# Altium PCB relay_matrix.PcbDoc (part 9 of 9)
Units mm, origin at the board's own origin, x right, y up, seen from the top; angles counter-clockwise.
Board outline 330 x 220 mm, 2 copper layers (Top Layer, Bottom Layer); 498 components, 345 nets, 2134 pads, 717 vias.
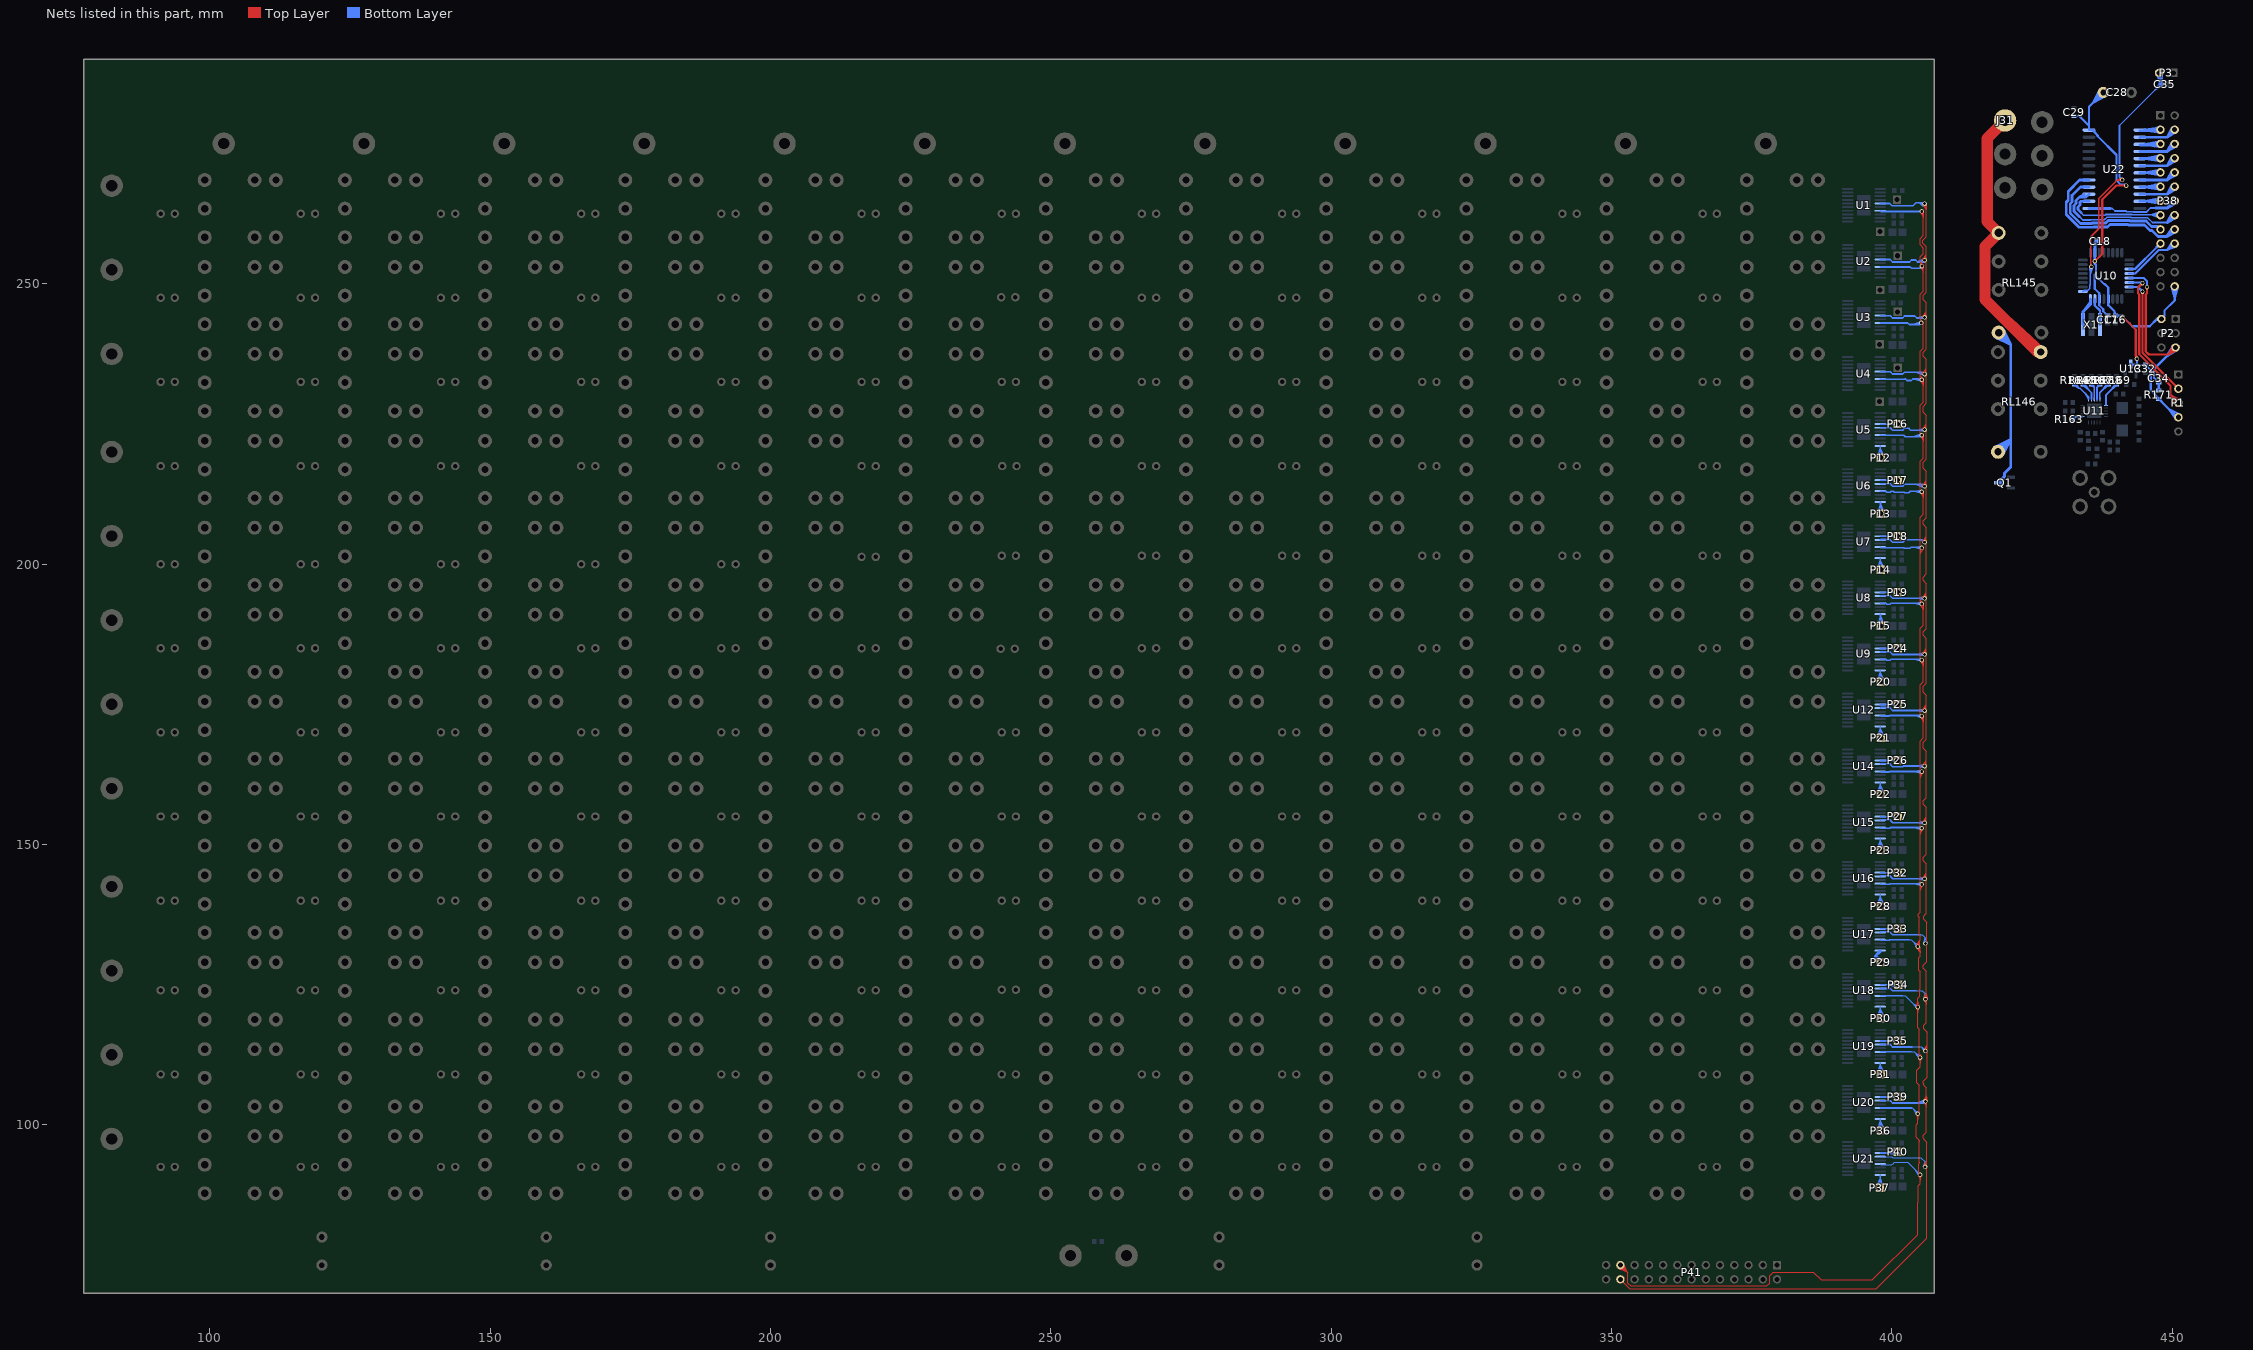
[diagram p9: the nets of this part, all layers, seen from the top]

## Via types
v1: diameter 0.8, hole 0.5, Top Layer to Bottom Layer, 477 vias
v2: diameter 0.8, hole 0.5, Top Layer to Bottom Layer, tented both sides, 122 vias
v3: diameter 0.6, hole 0.3, Top Layer to Bottom Layer, 112 vias
v4: diameter 7, hole 5, Top Layer to Bottom Layer, 6 vias

## Nets (pads, with @x,y where several pads share a name; then routed paths per layer and width w, separated by ;. In a path a pad name is that pad's centre, name@x,y a point inside that pad or via, vN(x,y) a via of type N, cw(c..) or ccw(c..) an arc to the next point about the centre after c; other vN are vias at no path point) (continued)
NetP12_1: P12.1 U5.20 | length 10.4
  Bottom Layer w0.3: P12.1@397.404,219.073 397.9,220.653 ; P12.1@397.7,219.009 397.9,220.653 ; U5.20@397.9,221.075 397.9,219.1 P12.1@398,219 397.9,220.653 ; P12.1@398.297,219.045 397.9,220.653 ; P12.1@398.582,219.144 397.9,220.653
NetP13_1: P13.1 U6.20 | length 9.8
  Bottom Layer w0.3: P13.1@397.41,209.109 398,210.65 ; P13.1@397.701,209.027 398,210.65 ; P13.1@398,209 398,210.975 U6.20@397.9,211.075 398,209.957 ; P13.1@398.299,209.027 398,210.65 ; P13.1@398.59,209.109 398,210.65
NetP14_1: P14.1 U7.20 | length 10.4
  Bottom Layer w0.3: P14.1@397.404,199.073 397.9,200.653 ; P14.1@397.7,199.009 397.9,200.653 ; U7.20@397.9,201.075 397.9,199.1 P14.1@398,199 397.9,200.653 ; P14.1@398.297,199.045 397.9,200.653 ; P14.1@398.582,199.144 397.9,200.653
NetP15_1: P15.1 U8.20 | length 9.8
  Bottom Layer w0.3: P15.1@397.41,189.109 398,190.65 ; P15.1@397.701,189.027 398,190.65 ; P15.1@398,189 398,190.975 U8.20@397.9,191.075 398,189.957 ; P15.1@398.299,189.027 398,190.65 ; P15.1@398.59,189.109 398,190.65
NetP16_1: P16.1 U5.14 | length 4.2
  Bottom Layer w0.3: U5.14@397.9,224.975 400.975,224.975 P16.1@401,225 ; U5.14@398.725,224.975 399.8,224.975
NetP17_1: P17.1 U6.14 | length 4.2
  Bottom Layer w0.3: U6.14@397.9,214.975 400.975,214.975 P17.1@401,215 ; U6.14@398.725,214.975 399.8,214.975
NetP18_1: P18.1 U7.14 | length 4.2
  Bottom Layer w0.3: U7.14@397.9,204.975 400.975,204.975 P18.1@401,205 ; U7.14@398.725,204.975 399.8,204.975
NetP19_1: P19.1 U8.14 | length 4.2
  Bottom Layer w0.3: U8.14@397.9,194.975 400.975,194.975 P19.1@401,195 ; U8.14@398.725,194.975 399.8,194.975
NetP20_1: P20.1 U9.20 | length 10.4
  Bottom Layer w0.3: P20.1@397.404,179.073 397.9,180.653 ; P20.1@397.7,179.009 397.9,180.653 ; U9.20@397.9,181.075 397.9,179.1 P20.1@398,179 397.9,180.653 ; P20.1@398.297,179.045 397.9,180.653 ; P20.1@398.582,179.144 397.9,180.653
NetP21_1: P21.1 U12.20 | length 10.4
  Bottom Layer w0.3: P21.1@397.404,169.073 397.9,170.653 ; P21.1@397.7,169.009 397.9,170.653 ; U12.20@397.9,171.075 397.9,169.1 P21.1@398,169 397.9,170.653 ; P21.1@398.297,169.045 397.9,170.653 ; P21.1@398.582,169.144 397.9,170.653
NetP22_1: P22.1 U14.20 | length 10.4
  Bottom Layer w0.3: P22.1@397.404,159.073 397.9,160.653 ; P22.1@397.7,159.009 397.9,160.653 ; U14.20@397.9,161.075 397.9,159.1 P22.1@398,159 397.9,160.653 ; P22.1@398.297,159.045 397.9,160.653 ; P22.1@398.582,159.144 397.9,160.653
NetP23_1: P23.1 U15.20 | length 10.4
  Bottom Layer w0.3: P23.1@397.404,149.073 397.9,150.653 ; P23.1@397.7,149.009 397.9,150.653 ; U15.20@397.9,151.075 397.9,149.1 P23.1@398,149 397.9,150.653 ; P23.1@398.297,149.045 397.9,150.653 ; P23.1@398.582,149.144 397.9,150.653
NetP24_1: P24.1 U9.14 | length 4.2
  Bottom Layer w0.3: U9.14@397.9,184.975 400.975,184.975 P24.1@401,185 ; U9.14@398.725,184.975 399.8,184.975
NetP25_1: P25.1 U12.14 | length 4.2
  Bottom Layer w0.3: U12.14@397.9,174.975 400.975,174.975 P25.1@401,175 ; U12.14@398.725,174.975 399.8,174.975
NetP26_1: P26.1 U14.14 | length 4.2
  Bottom Layer w0.3: U14.14@397.9,164.975 400.975,164.975 P26.1@401,165 ; U14.14@398.725,164.975 399.8,164.975
NetP27_1: P27.1 U15.14 | length 4.2
  Bottom Layer w0.3: U15.14@397.9,154.975 400.975,154.975 P27.1@401,155 ; U15.14@398.725,154.975 399.8,154.975
NetP28_1: P28.1 U16.20 | length 10.4
  Bottom Layer w0.3: P28.1@397.404,139.073 397.9,140.653 ; P28.1@397.7,139.009 397.9,140.653 ; U16.20@397.9,141.075 397.9,139.1 P28.1@398,139 397.9,140.653 ; P28.1@398.297,139.045 397.9,140.653 ; P28.1@398.582,139.144 397.9,140.653
NetP29_1: P29.1 U17.20 | length 7.1
  Bottom Layer w0.5: P29.1@397.59,128.715 397,130 ; P29.1@398,129 397,130 ; P29.1@398.285,129.41 397,130 ; 397,130 U17.20@397.9,131.075 397.9,130.9 397,130
NetP30_1: P30.1 U18.20 | length 10.4
  Bottom Layer w0.3: P30.1@397.404,119.073 397.9,120.653 ; P30.1@397.7,119.009 397.9,120.653 ; U18.20@397.9,121.075 397.9,119.1 P30.1@398,119 397.9,120.653 ; P30.1@398.297,119.045 397.9,120.653 ; P30.1@398.582,119.144 397.9,120.653
NetP31_1: P31.1 U19.20 | length 10.4
  Bottom Layer w0.3: P31.1@397.404,109.073 397.9,110.653 ; P31.1@397.7,109.009 397.9,110.653 ; U19.20@397.9,111.075 397.9,109.1 P31.1@398,109 397.9,110.653 ; P31.1@398.297,109.045 397.9,110.653 ; P31.1@398.582,109.144 397.9,110.653
NetP32_1: P32.1 U16.14 | length 4.2
  Bottom Layer w0.3: U16.14@397.9,144.975 400.975,144.975 P32.1@401,145 ; U16.14@398.725,144.975 399.8,144.975
NetP33_1: P33.1 U17.14 | length 4.2
  Bottom Layer w0.3: U17.14@397.9,134.975 400.975,134.975 P33.1@401,135 ; U17.14@398.725,134.975 399.8,134.975
NetP34_1: P34.1 U18.14 | length 12.4
  Bottom Layer w0.3: U18.14@397.9,124.975 400.975,124.975 P34.1@401,125 ; U18.14@398.725,124.975 399.8,124.975 ; P34.1@400.982,125.588 399.45,124.975 ; P34.1@401,124.408 399.45,124.975 ; P34.1@401.068,125.298 399.45,124.975 ; P34.1@401.077,124.701 399.45,124.975 ; P34.1@401.1,125 399.45,124.975
NetP35_1: P35.1 U19.14 | length 4.2
  Bottom Layer w0.3: U19.14@397.9,114.975 400.975,114.975 P35.1@401,115 ; U19.14@398.725,114.975 399.8,114.975
NetP36_1: P36.1 U20.20 | length 10.4
  Bottom Layer w0.3: P36.1@397.404,99.073 397.9,100.653 ; P36.1@397.7,99.009 397.9,100.653 ; U20.20@397.9,101.075 397.9,99.1 P36.1@398,99 397.9,100.653 ; P36.1@398.297,99.045 397.9,100.653 ; P36.1@398.582,99.144 397.9,100.653
NetP37_1: P37.1 U21.20 | length 10.4
  Bottom Layer w0.3: P37.1@397.218,88.944 397.9,90.455 ; P37.1@397.503,88.845 397.9,90.455 ; P37.1@397.8,88.8 397.9,90.455 ; U21.20@397.9,91.075 397.9,89.1 P37.1@398,89 ; P37.1@398.1,88.809 397.9,90.455 ; P37.1@398.396,88.873 397.9,90.455
NetP39_1: P39.1 U20.14 | length 4.2
  Bottom Layer w0.3: U20.14@397.9,104.975 400.975,104.975 P39.1@401,105 ; U20.14@398.725,104.975 399.8,104.975
NetP40_1: P40.1 U21.14 | length 12.7
  Bottom Layer w0.3: U21.14@397.9,94.975 400.775,94.975 P40.1@401,95.2 399.323,94.975 ; U21.14@398.725,94.975 399.8,94.975 ; P40.1@400.816,95.771 399.323,94.975 ; P40.1@400.934,95.493 399.323,94.975 ; P40.1@400.973,94.601 399.323,94.975 ; P40.1@401.013,94.9 399.323,94.975
NetQ1_1: Q1.1 RL145.2 RL146.2 | length 61.3
  Bottom Layer w0.5: RL146.2@418.317,220.853 421.175,222.314 ; RL145.2@418.437,240.48 421.175,239.136 ; RL146.2@418.581,220.424 421.175,222.314 ; RL145.2@418.695,240.912 421.175,239.136 ; Q1.1@418.9,214.524 420.075,215.699 ; RL146.2@418.905,220.044 421.175,222.314 ; RL146.2@419.286,219.719 421.175,222.314 ; Q1.1@419.325,214.524 420.075,215.699 ; RL145.2@419.4,241.617 421.175,239.136 ; RL146.2@419.714,219.456 421.175,222.314 ; RL145.2@419.832,241.875 421.175,239.136 ; 420.075,215.699 420.075,216.224 421.175,217.324 421.175,222.314 ; 421.175,222.314 421.175,239.136 ; 421.175,239.136 RL145.2@419.018,241.293 421.175,239.136
NetR163_1: R163.1 U11.16 | length 4.7
  Bottom Layer w0.3: R163.1@432.226,226.098 432.825,226.324 ; R163.1@432.325,225.824 432.825,226.324 ; R163.1@432.325,225.924 432.825,226.324 ; R163.1@432.473,225.789 432.825,226.324 ; U11.16@433.725,226.324 432.825,226.324 ; U11.16@434,226.324 432.825,226.324
NetR164_1: R164.1 U11.1 | length 8.2
  Bottom Layer w0.3: R164.1@432.539,231.928 433.275,231.374 ; R164.1@432.575,232.074 433.275,231.374 ; R164.1@432.675,232.074 433.275,231.374 ; R164.1@432.841,232.187 433.275,231.374 ; 434.423,230.477 U11.1@435.075,229.399 435.075,229.824 ; 433.275,231.374 433.525,231.374 435.075,229.824 ; 435.075,229.824 435.075,229.674 435.075,229.824
NetR165_1: R165.1 U11.2 | length 8.2
  Bottom Layer w0.3: R165.1@434.037,231.929 435.062,231.088 ; R165.1@434.075,232.074 435.575,230.574 ; R165.1@434.175,232.074 435.062,231.088 ; R165.1@434.334,232.196 435.062,231.088 ; U11.2@435.575,229.399 435.575,230.574 ; U11.2@435.575,229.674 435.575,230.574
NetR166_1: R166.1 U11.3 | length 5.8
  Bottom Layer w0.3: R166.1@435.541,231.926 436.075,231.574 ; R166.1@435.575,232.074 436.075,231.574 ; R166.1@435.675,232.074 436.075,231.574 ; R166.1@435.849,232.173 436.075,231.574 ; U11.3@436.075,229.399 436.075,231.574 ; U11.3@436.075,229.674 436.075,230.674
NetR167_1: R167.1 U11.4 | length 5.8
  Bottom Layer w0.3: U11.4@436.575,229.399 436.575,231.574 ; U11.4@436.575,229.674 436.575,230.674 ; R167.1@436.802,232.173 436.575,231.574 ; R167.1@436.975,232.074 436.575,231.574 ; R167.1@437.075,232.074 436.575,231.574 ; R167.1@437.11,231.926 436.575,231.574
NetR168_1: R168.1 U11.5 | length 8.2
  Bottom Layer w0.3: U11.5@437.075,229.399 437.075,230.574 ; U11.5@437.075,229.674 437.075,230.574 ; R168.1@438.317,232.196 437.589,231.088 ; R168.1@438.475,232.074 437.589,231.088 ; R168.1@438.575,232.074 437.075,230.574 ; R168.1@438.614,231.929 437.589,231.088
NetR169_1: R169.1 U11.6 | length 8.5
  Bottom Layer w0.3: U11.6@438.15,228.324 438.15,230.149 R169.1@440.075,232.074 ; R169.1@439.817,232.196 439.089,231.088 ; R169.1@439.975,232.074 439.089,231.088 ; R169.1@440.114,231.929 439.089,231.088
NetU10_7: U10.7 X1.1 | length 6.4
  Bottom Layer w0.4: U10.7@436.175,246.699 436.175,246.124 ; U10.7@436.175,247.299 436.175,246.124 ; X1.1@437.075,242.699 437.075,245.224 ; X1.1@437.075,244.399 437.075,245.224 ; 436.175,246.124 437.075,245.224
NetU10_8: U10.8 X1.3 | length 8.3
  Bottom Layer w0.5: X1.3@434.075,242.724 434.075,245.024 ; X1.3@434.075,244.424 434.075,245.024 ; 434.263,245.212 U10.8@435.375,246.699 ; U10.8@435.375,247.299 435.375,246.324 ; 434.075,245.024 435.375,246.324 ; 435.375,246.324 U10.8@435.375,246.699 ; 435.375,246.324 U10.8@435.375,246.699
RESET: C34.1 P2.5 R171.1 U10.29 | length 53
  Top Layer w0.4: v1(445.476,249.423) 445.475,248.293 ; v1(445.476,249.423) 445.475,248.293 ; P2.5@450.131,238.969 449.31,237.378 ; P2.5@450.9,238.2 449.31,237.378 ; 445.475,248.293 445.275,248.093 445.275,237.933 445.83,237.378 449.31,237.378 ; 449.31,237.378 P2.5@450.575,238.644 449.31,237.378
  Bottom Layer w0.4: U10.29@442.3,251.024 444.907,251.024 445.475,250.455 ; U10.29@442.9,251.024 444.375,251.024 ; v1(445.476,249.423) 445.475,250.455 ; v1(445.476,249.423) 445.475,250.455 ; C34.1@447.525,232.424 446.725,233.258 ; P2.5@450.142,238.983 448.977,237.045 ; P2.5@450.914,238.211 448.977,237.045 ; 446.725,233.258 447.56,232.424 C34.1@447.575,232.424 ; 446.725,233.258 446.725,234.794 P2.5@450.575,238.644 448.977,237.045 ; R171.1@447.575,230.974 C34.1@447.575,232.424 ; R171.1@447.575,230.974 C34.1@447.575,232.424 ; R171.1@447.575,230.974 C34.1@447.575,232.424 ; R171.1@447.575,230.974 C34.1@447.575,232.424
RX: P1.3 U10.30 | length 36.9
  Top Layer w0.4: P1.3@450.636,228.413 449.675,230.144 ; P1.3@451.075,228.744 449.675,230.144 ; P1.3@451.407,229.183 449.675,230.144 ; 443.875,249.324 v1(444.675,250.124) 443.875,249.324 ; 443.875,249.324 443.875,248.293 444.075,248.093 444.075,237.435 449.675,231.835 449.675,230.144
  Bottom Layer w0.4: U10.30@442.3,250.224 444.575,250.224 v1(444.675,250.124) ; U10.30@442.9,250.224 v1@444.375,250.224 ; U10.30@443.049,250.224 v1(444.675,250.124) ; U10.30@443.064,250.224 v1(444.675,250.124)
SCLK: P41.23 U1.17 U2.17 U3.17 U4.17 U5.17 U6.17 U7.17 U8.17 U9.17 U12.17 U14.17 U15.17 U16.17 U17.17 U18.17 U19.17 U20.17 U21.17 | length 540.9
  Top Layer w0.2: P41.23@351.199,74.459 352.734,73.826 ; P41.23@351.288,74.642 352.734,73.826 ; P41.23@351.397,74.81 352.734,73.826 ; P41.23@351.56,75 352.9,73.66 352.9,71.8 353.4,71.3 377.7,71.3 378.2,71.8 378.2,73.1 378.8,73.7 379.9,73.7 386,73.7 387.35,72.35 396.519,72.35 404.6,80.431 404.6,86.131 404.7,86.231 404.7,89.19 405,89.49 v1(405,91.1) 404.8,91.3 404.8,92.956 404.9,93.056 404.9,93.284 404.85,93.334 404.85,93.666 404.9,93.716 404.9,97.034 404.85,97.084 404.85,97.234 404.299,97.785 404.299,100 404.599,100.3 v1(404.599,102) ; P41.23@351.75,75.163 352.734,73.826 ; P41.23@351.918,75.272 352.734,73.826 ; P41.23@352.101,75.361 352.734,73.826 ; v1@404.303,101.955 404.599,101 ; v1@404.303,120.955 404.599,120 ; v1@404.303,121.045 404.599,122 v1@404.896,121.045 ; v1@404.322,131.914 404.85,132.806 ; v1@404.337,131.655 405.05,130.67 ; v1@404.703,91.055 405,90.1 v1@405.297,91.055 ; v1@404.703,111.955 405,111 v1@405.297,111.955 ; v1@404.724,112.117 405.049,112.5 ; 404.799,128.821 404.799,127.578 405.05,127.328 405.05,125.247 ; 404.8,128.822 404.8,129.79 405.05,130.04 405.05,131.694 ; v1@404.89,131.876 405.05,130.67 ; v1@404.896,101.955 404.599,101 ; v1@404.896,120.955 404.599,120 ; v1@404.899,131.771 404.85,132.806 ; v1@405,142.928 405.049,141.838 ; v1@405,152.927 405.049,151.831 ; v1@405,163.027 405.049,161.93 ; v1@405.001,202.928 405.049,201.844 ; v1@405.002,192.857 405.049,193.589 ; v1@405.002,232.857 405.049,233.589 ; v1@405.021,262.787 405.6,261.761 ; v1@405.023,172.781 405.6,171.817 ; v1@405.023,182.781 405.6,181.817 ; v1@405.023,212.781 405.6,211.817 ; v1@405.023,222.881 405.6,221.916 ; v1@405.024,192.78 405.6,191.836 ; v1@405.024,232.78 405.6,231.835 ; 405.049,125.246 405.049,124.315 404.95,124.216 404.95,122.966 404.599,122.615 v1(404.599,121) ; 405.049,207.653 405.049,199.67 405.076,199.643 405.076,197.945 405.049,197.917 405.049,193.589 ; 405.05,207.654 405.05,208.357 405.6,208.908 405.6,212.599 405.049,213.15 405.049,218.357 405.6,218.907 405.6,222.699 405.049,223.25 405.049,228.319 405.6,228.87 405.6,233.038 405.049,233.589 ; v1@405.056,253.091 405.049,253.889 ; v1@405.068,253.047 405.6,252.028 ; v1@405.294,112.061 405.049,112.5 ; v1(405.299,142.9) 405.049,141.838 ; v1(405.299,152.9) 405.049,151.831 ; v1(405.299,163) 405.049,161.93 ; v1(405.299,172.9) 405.6,171.817 ; v1(405.299,182.9) 405.6,181.817 ; v1(405.299,202.9) 405.049,201.844 ; v1(405.299,212.9) 405.6,211.817 ; v1(405.299,223) 405.6,221.916 ; v1@405.554,193.057 405.049,193.589 ; v1@405.554,233.057 405.049,233.589 ; v1@405.579,202.791 405.049,201.844 ; v1@405.579,142.791 405.049,141.838 ; v1@405.579,152.792 405.049,151.831 ; v1@405.579,162.892 405.049,161.93 ; v1@405.596,172.941 405.6,171.817 ; v1@405.596,182.941 405.6,181.817 ; v1@405.596,192.941 405.6,191.836 ; v1@405.596,212.941 405.6,211.817 ; v1@405.596,223.041 405.6,221.916 ; v1@405.596,232.941 405.6,231.835 ; v1@405.597,262.939 405.6,261.761 ; v1@405.602,253.313 405.049,253.889 ; v1@405.649,253.176 405.6,252.028 ; 404.599,101 v1(404.599,102) ; v1(404.599,102) 404.85,102.251 404.85,107.034 404.4,107.484 404.4,109.79 405,110.39 v1(405,112) ; 404.599,120 v1(404.599,121) ; v1(404.599,121) 404.599,117.285 404.85,117.034 404.85,112.699 405.049,112.5 ; v1(404.6,131.8) 405.05,130.67 ; v1(404.6,131.8) 405.05,131.694 ; v1(404.6,131.8) 404.85,132.806 ; v1(404.6,131.8) 405.05,131.694 ; 404.85,132.806 405.05,133.006 405.05,133.588 404.85,133.788 404.85,137.034 404.679,137.205 404.679,137.536 405.049,137.906 405.049,168.457 405.6,169.008 405.6,172.599 405.049,173.15 405.049,178.457 405.6,179.008 405.6,182.599 405.049,183.15 405.049,188.557 405.6,189.108 405.6,193.038 405.049,193.589 ; 404.85,132.806 404.85,131.894 405.05,131.694 ; v1(405,112) 405.049,112.5 ; v1(405,112) 405.049,112.049 405.049,112.5 ; 405.049,193.589 v1(405.299,192.9) 405.6,191.836 ; 405.049,233.589 v1(405.299,232.9) 405.6,231.835 ; 405.049,233.589 405.049,237.984 405.6,238.535 405.6,243.138 405.049,243.689 405.049,248.156 405.6,248.707 405.6,252.9 v1(405.35,253.15) ; 405.049,253.889 v1(405.35,253.15) ; 405.049,253.889 405.049,254.811 405.6,255.362 405.6,256.381 404.999,256.982 404.999,258.017 405.6,258.618 405.6,262.699 405.399,262.899 v1(405.299,262.899) 405.6,261.761 ; 405.049,253.889 405.35,253.588 ; 405.05,131.694 404.63,131.501 405.05,131.694 ; 405.05,131.694 404.76,132.054 405.05,131.694 ; v1(405.35,253.15) 405.6,252.028 ; v1(405.35,253.15) 405.35,253.588 ; v1(405.35,253.15) 405.35,253.588 ; 405.35,253.588 405.632,253.253 405.35,253.588 ; 405.35,253.588 405.068,253.253 405.35,253.588
  Bottom Layer w0.2: U21.17@397.9,93.025 398.025,92.9 399.976,92.9 400.276,93.2 400.31,93.2 400.41,93.3 402.8,93.3 v1(405,91.1) ; U21.17@398.725,93.025 399.502,92.9 ; 401.9,123.025 402.374,123.025 404.599,120.8 v1(404.599,121) 403.686,121.713 ; 403.1,133.025 403.425,133.025 v1@404.5,131.95 ; 403.4,113.025 403.975,113.025 v1(405,112) 404.176,112.824 ; 403.5,103.025 403.574,103.025 v1(404.599,102) ; v1@404.357,131.625 403.808,132.642 ; v1@404.362,101.817 403.775,102.824 v1@404.782,102.237 ; v1@404.385,120.789 403.686,121.713 ; v1(404.6,131.8) 403.808,132.642 ; v1@404.752,121.258 403.686,121.713 ; v1@404.762,90.917 404.176,91.924 v1@405.183,91.338 ; v1@404.762,111.817 404.176,112.824 ; v1@404.79,132.032 403.808,132.642 ; v1@405.183,112.238 404.176,112.824
  Bottom Layer w0.3: U20.17@397.9,103.025 403.5,103.025 ; U19.17@397.9,113.025 403.4,113.025 ; U18.17@397.9,123.025 401.9,123.025 ; U17.17@397.9,133.025 397.975,132.95 399.51,132.95 399.586,133.025 403.1,133.025 ; U16.17@397.9,143.025 398,142.925 399.58,142.925 399.68,143.025 405.174,143.025 v1(405.299,142.9) 403.976,143.025 ; U15.17@397.9,153.025 398,152.925 399.58,152.925 399.68,153.025 405.475,153.025 405.35,152.9 v1(405.299,152.9) 403.988,153.025 ; U14.17@397.9,163.025 398,162.925 399.536,162.925 399.636,163.025 405.274,163.025 v1(405.299,163) 403.998,163.025 ; U12.17@397.9,173.025 398,172.925 399.485,172.925 399.585,173.025 405.174,173.025 v1(405.299,172.9) 403.975,173.025 ; U9.17@397.9,183.025 398.859,183.025 399.037,182.847 ; U8.17@397.9,193.025 398.859,193.025 399.037,192.847 ; U7.17@397.9,203.025 398.015,202.91 399.595,202.91 399.636,202.95 402.095,202.95 402.195,202.85 403.21,202.85 403.386,203.025 405.225,203.025 405.299,202.951 v1(405.299,202.9) 403.984,203.025 ; U6.17@397.9,213.025 397.925,213 398.884,213 399.062,212.822 ; U5.17@397.9,223.025 397.925,223 402.089,223 402.364,222.725 405.025,222.725 v1(405.299,223) 403.856,222.725 ; U4.17@397.9,233.025 397.925,233 402.268,233 402.293,233.025 402.413,233.025 402.689,232.75 403.46,232.75 403.736,233.025 405.174,233.025 v1(405.299,232.9) 403.984,233.025 ; U3.17@397.9,243.025 397.925,243 402.838,243 403.089,242.75 404.95,242.75 v1(405.225,243.025) 403.793,242.75 ; U2.17@397.9,253.025 397.925,253 403.238,253 403.489,252.749 405.049,252.749 ; U1.17@397.9,263.025 398.025,262.9 v1@405.299,262.9 ; U20.17@398.725,103.025 399.8,103.025 ; U19.17@398.725,113.025 399.8,113.025 ; U18.17@398.725,123.025 399.8,123.025 ; U9.17@398.725,183.025 399.037,182.847 ; U8.17@398.725,193.025 399.037,192.847 ; U6.17@398.725,213.025 399.062,212.822 ; U5.17@398.725,223.025 399.8,223 ; U4.17@398.725,233.025 399.8,233 ; U3.17@398.725,243.025 399.8,243 ; v1@405.157,243.266 403.793,242.75 ; v1@405.232,223.24 403.856,222.725 ; v1@405.251,242.776 403.793,242.75 ; v1@405.252,142.654 403.976,143.025 ; v1@405.252,152.654 403.988,153.025 ; v1@405.252,172.654 403.975,173.025 ; v1@405.252,182.654 403.976,183.025 ; v1@405.252,192.654 403.976,193.025 ; v1@405.252,202.654 403.984,203.025 ; v1@405.252,212.654 403.984,213.025 ; v1@405.252,232.654 403.984,233.025 ; v1@405.27,162.751 403.998,163.025 ; v1@405.28,163.249 403.998,163.025 ; v1@405.299,143.15 403.976,143.025 ; v1@405.299,153.15 403.988,153.025 ; v1@405.299,173.15 403.975,173.025 ; v1@405.299,183.15 403.976,183.025 ; v1@405.299,193.15 403.976,193.025 ; v1@405.299,203.15 403.984,203.025 ; v1@405.299,213.15 403.984,213.025 ; v1@405.299,233.15 403.984,233.025 ; v1@405.325,222.751 403.856,222.725 ; 399.037,182.847 399.658,182.847 399.836,183.025 405.174,183.025 v1(405.299,182.9) 403.976,183.025 ; 399.037,192.847 399.658,192.847 399.836,193.025 405.174,193.025 v1(405.299,192.9) 403.976,193.025 ; 399.062,212.822 399.683,212.822 399.861,213 400.2,213 400.4,212.8 402.245,212.8 402.295,212.75 403.01,212.75 403.285,213.025 405.225,213.025 405.299,212.951 v1(405.299,212.9) 403.984,213.025 ; 405.049,252.749 v1(405.35,253.15) ; 405.049,252.749 405.119,253.245 405.049,252.749 ; 405.049,252.749 405.506,252.955 405.049,252.749 ; 405.049,252.749 v1(405.35,253.15) ; 405.049,252.749 405.35,253.05 v1(405.35,253.15)